# Altium PCB Wireless_Detector.PcbDoc (part 1 of 2) (continued)
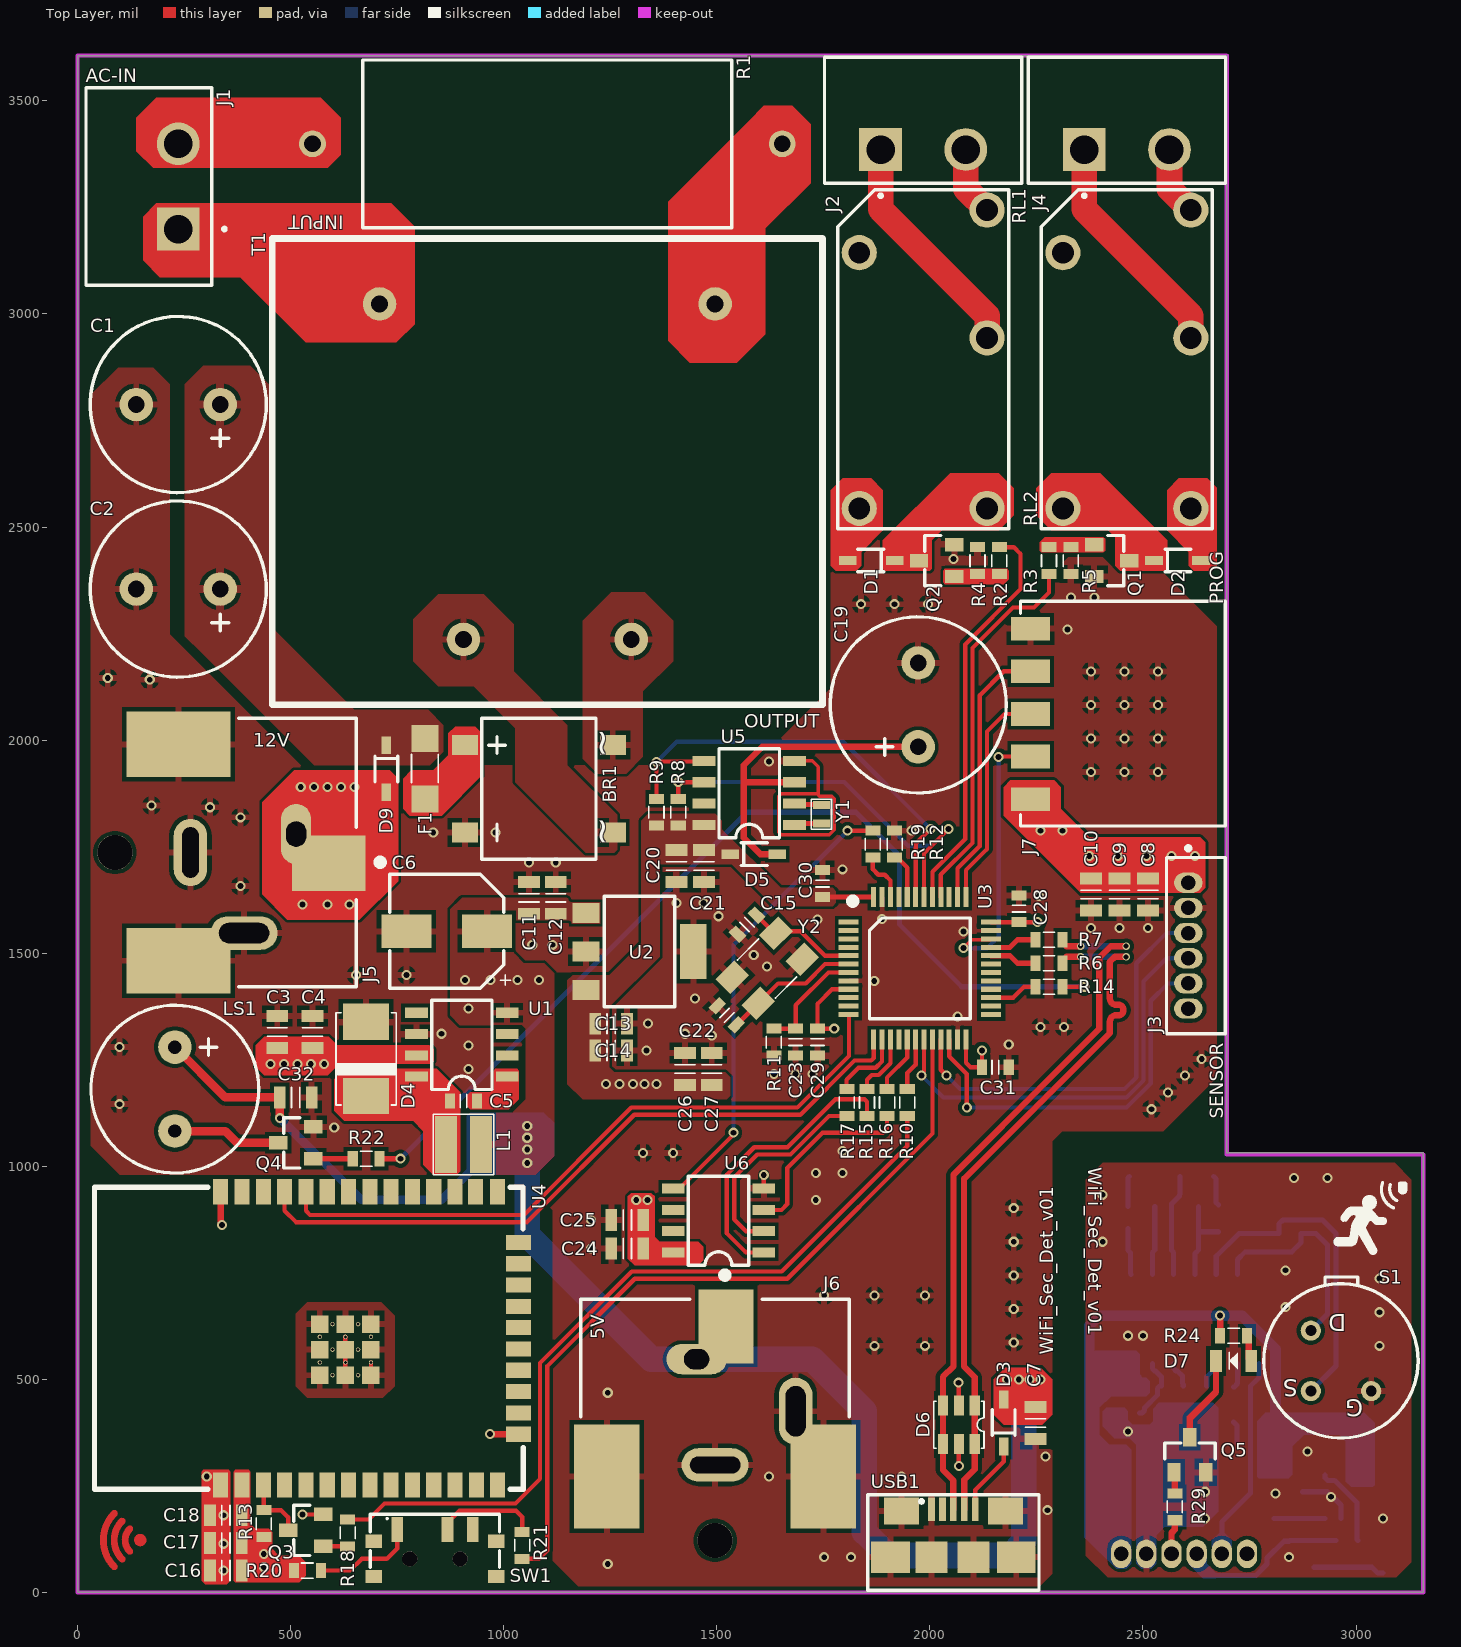
[diagram p0: Top Layer view]
## Components (designator, comment, footprint, x,y, rotation, side; value= is the part's Value field where it differs from the comment) (continued)
OP1 "OPA314AIDBVR" SOT23-5 2964.57,224.41 r180 bottom
Q1 "MMBT3904-7-F" SOT-23F 2426.77,2421.26 r270 top
Q2 "MMBT3904-7-F" SOT-23F 2015.75,2421.26 r90 top
Q3 "MMBT3904-7-F" SOT-23F 535.43,145.67 r90 top
Q4 "MMBT3904-7-F" SOT-23F 511.81,1055.12 r90 top
Q5 "MMBT3904-7-F" SOT-23F 2610.24,322.83 r0 top
R1 "5WD27" 5WD27 1102.36,3399.21 r0 top
R2 "RC0603FR-071KL" R0603 2162.99,2421.26 r270 top
R3 "RC0603FR-071KL" R0603 2279.53,2421.26 r90 top
R4 "RC0603FR-0710KL" R0603 2111.81,2421.26 r270 top
R5 "RC0603FR-0710KL" R0603 2330.71,2421.26 r90 top
R6 "RC0603JR-0715RL" R0603 2279.53,1476.38 r0 top
R7 "RC0603JR-0715RL" R0603 2279.53,1531.5 r0 top
R8 "RC0603JR-074K7L" R0603 1409.45,1830.71 r270 top
R9 "RC0603JR-074K7L" R0603 1358.27,1830.71 r90 top
R10 "RC0603JR-07100RL" R0603 1946.85,1149.61 r270 top
R11 "RC0603JR-07100RL" R0603 1633.86,1291.34 r90 top
R12 "RC0603JR-07100RL" R0603 1917.32,1755.91 r270 top
R13 "RC0603FR-071KL" R0603 437.01,161.42 r90 top
R14 "RC0603JR-07100RL" R0603 2279.53,1421.26 r0 top
R15 "RC0603JR-07100RL" R0603 1852.36,1149.61 r90 top
R16 "RC0603JR-07100RL" R0603 1899.61,1149.61 r90 top
R17 "RC0603JR-07100RL" R0603 1805.12,1149.61 r90 top
R18 "RC0603JR-07100RL" R0603 633.86,139.76 r270 top
R19 "RC0603JR-07100RL" R0603 1866.14,1755.91 r270 top
R20 "RC0603JR-07100RL" R0603 539.37,51.18 r180 top
R21 "RC0603JR-07100RL" R0603 1043.31,110.24 r90 top
R22 "RC0603JR-07100RL" R0603 677.17,1017.72 r180 top
R23 "RC0603JR-07560KL" R0603 2496.06,854.33 r180 bottom
R24 "RC0603JR-07100RL" R0603 2712.6,602.36 r180 top
R25 "RC0603FR-0710KL" R0603 2496.06,905.51 r0 bottom
R26 "RC0603FR-071KL" R0603 2751.97,350.39 r0 bottom
R27 "RC0603JR-07220KL" R0603 2492.13,452.76 r90 bottom
R28 "RC0603JR-07560KL" R0603 2598.43,854.33 r180 bottom
R29 "RC0603FR-071KL" R0603 2574.8,200.79 r270 top
R30 "RC0603FR-0710KL" R0603 2677.17,877.95 r270 bottom
R31 "RC0603JR-070RL" R0603 2649.61,452.76 r90 bottom
R32 "RC0603JR-070RL" R0603 2594.49,452.76 r90 bottom
R33 "RC0603JR-0743KL" R0603 2767.72,874.02 r270 bottom
R34 "RC0603JR-07220KL" R0603 2901.57,90.55 r90 bottom
R35 "RC0603FR-071KL" R0603 3003.94,90.55 r90 bottom
R36 "RC0603JR-07220KL" R0603 2952.76,90.55 r90 bottom
R37 "RC0603FR-0710KL" R0603 2874.02,204.72 r270 bottom
RL1 "ALQ112" ALQ112 1984.25,2893.7 r90 top
RL2 "ALQ112" ALQ112 2462.2,2893.7 r90 top
RT1 "TFPT1206L1002FM" R1206 2807.09,232.28 r90 bottom
S1 "LHI 878/3902" "LHI 878/3902" 2964.57,543.31 r180 top
SW1 "EG1215AA" EG1215AA 838.58,78.74 r0 top
T1 "BV302S12010-ZU" BV302S 1102.36,2629.92 r0 top
U1 "LM2675MX-12/NOPB" SOIC8 901.57,1285.24 r180 top
U2 "AP7361-33E-13" SOT223 1318.9,1503.94 r270 top
U3 "STM32F103C6T6A" LQFP-48 1976.38,1464.57 r270 top
U4 "ESP32-WROOM-32 (16MB)" ESP32-WROOM-32 685.24,596.06 r90 top
U5 "M41T00M6F" SOIC8 1576.09,1876.11 r180 top
U6 "MAX6662MSA+" SOIC8 1503.94,872.64 r180 top
U7 "NCS36000DRG" SOIC14 2622.05,641.73 r270 bottom
USB1 "10118192-0001LF" "MICRO B USB CONNECTOR SMD" 2055.12,138.78 r0 top
Y1 "ABS05-32.768KHZ-T" ABS05 1745.38,1826.1 r270 top
Y2 "ECS-160-20-30B-TR" "ECS CRYSTAL 16MHZ" 1618.11,1464.57 r225 top

## Footprints (in the part's own frame and the unit in brackets; to place one, negate y for a bottom-side part, rotate by r counter-clockwise, add the part's x,y. Pads: shape width x height; smd on the part's side, far side on the other; paste and mask are expansions set on the pad)
5WD27 [mm]
  round 1.6 hole 1 mask+0.05: 1(-14,0) 2(14,0)
  silkscreen extent -11,-5 11,5, body extent -14.4,-5 14.4,5, height 9.65
64800611622_CONN_6PINN [mm]
  oval 1.208x1.7 hole 0.87 mask+0.05: 1(-3.75,0) 2(-2.25,0) 3(-0.75,0) 4(0.75,0) 5(2.25,0) 6(3.75,0)
  silkscreen extent -5.9,-1.3 5.25,2.2, body extent -5.25,-1.3 5.25,2.2, height 4.55
ABS05 [mm]
  rect 0.5x1 smd mask+0.05: 1(-0.55,0) 2(0.55,0)
  silkscreen extent -0.9,-0.6 0.9,0.6, body extent -0.8,-0.5 0.8,0.5, height 0.5
ALQ112 [mm]
  round 2.1 hole 1.3 mask+0.05: 1(6.35,3.81) 2(1.27,-3.81) 3(8.89,-3.81) 4(-8.89,3.81) 5(-8.89,-3.81)
  silkscreen extent -10.1,-5.1 10.1,5.1, body extent -9.99,-5.01 10.01,4.99, height 15.6
BV302S [mm]
  round 2 hole 1 mask+0.05: 1(10,10) 5(-10,10) 7(-5,-10) 9(5,-10)
  silkscreen extent -16.4,-13.9 16.4,13.9, body extent -16.25,-13.75 16.25,13.75, height 21.8
C0603_CER [mm]
  rect 0.6x0.9 smd mask+0.05: 1(-0.8,0) 2(0.8,0)
  silkscreen extent -0.2,-0.4 0.2,0.4, body extent -1.05,-0.52 1.05,0.51, height 0.82
C0805_CER [mm]
  rect 0.7x1.3 smd mask+0.05: 1(-0.95,0) 2(0.95,0)
  silkscreen extent -0.25,-0.6 0.25,0.6, body extent -1.3,-0.68 1.3,0.68, height 0.9
C1206_CER [mm]
  rect 0.9x1.6 smd mask+0.05: 1(-1.5,0) 2(1.5,0)
  silkscreen extent -0.3,-0.75 0.3,0.75, body extent -1.97,-0.98 1.97,0.98, height 1.3
CAP_EEV_SERIES [mm]
  rect 3x2 smd mask+0.05: 1(-2.4,0) 2(2.4,0)
  silkscreen extent -3.8,-3.4 3.4,3.4, body extent -3.8,-3.4 3.8,3.4, height 8.03
CAP_RADIAL_D10_P5 [mm]
  round 2 hole 1 mask+0.05: 1(0,2.5) 2(0,-2.5)
  silkscreen extent -5.25,-5.25 5.25,5.25, body extent -5.25,-5.25 5.25,5.25, height 22.05
CMI-9605IC-0580T [mm]
  round 2 hole 0.8 mask+0.05: 1(0,2.5) 2(0,-2.5)
  silkscreen extent -5,-5 5,5, body extent -4.8,-4.8 4.8,4.8, height 5
DB105S [mm]
  rect 1.2x1.55 smd mask+0.05: 1(-2.605,-4.4) 2(2.605,-4.4) 3(2.605,4.4) 4(-2.605,4.4)
  silkscreen extent -4.2,-3.4 4.2,3.4, body extent -4.16,-5.21 4.16,5.19, height 2.66
"ECS CRYSTAL 16MHZ" [mm]
  rect 1.6x1.25 smd mask+0.05: 1(-1.85,-1.1) 2(1.85,-1.1) 3(1.85,1.1) 4(-1.85,1.1)
  silkscreen extent -0.9,-1.6 0.9,1.6, body extent -2.5,-1.6 2.5,1.6, height 0.85
EG1215AA [mm]
  rect 0.7x1.5 smd mask+0.05: 1(-2.25,1.75) 2(0.75,1.75) 3(2.25,1.75)
  rect 1x0.8 smd mask+0.05: 3(-3.65,-1.05) 3(-3.65,1.05) 3(3.65,-1.05) 3(3.65,1.05)
  round 0.9 hole 0.9 unplated mask+0.05: ""(-1.5,0) ""(1.5,0)
  silkscreen extent -3.85,-0.5 3.85,2.65, body extent -3.85,-2.7 3.85,2.2, height 1.4
ESP32-WROOM-32 [mm]
  rect 1.5x0.9 smd mask+0.05: 1(-8.74,8.875) 2(-8.74,7.605) 3(-8.74,6.335) 4(-8.74,5.065) 5(-8.74,3.795) 6(-8.74,2.525) 7(-8.74,1.255) 8(-8.74,-0.015) 9(-8.74,-1.285) 10(-8.74,-2.555) 11(-8.74,-3.825) 12(-8.74,-5.095) 13(-8.74,-6.365) 14(-8.74,-7.635) 25(8.74,-7.635) 26(8.74,-6.31) 27(8.74,-5.095) 28(8.74,-3.825) 29(8.74,-2.555) 30(8.74,-1.285) 31(8.74,-0.015) 32(8.74,1.255) 33(8.74,2.525) 34(8.74,3.795) 35(8.74,5.065) 36(8.74,6.335) 37(8.74,7.605) 38(8.74,8.875)
  rect 0.9x1.5 smd mask+0.05: 15(-5.71,-8.875) 16(-4.44,-8.875) 17(-3.17,-8.875) 18(-1.9,-8.875) 19(-0.63,-8.875) 20(0.64,-8.875) 21(1.91,-8.875) 22(3.18,-8.875) 23(4.45,-8.875) 24(5.72,-8.875)
  rect 1.05x1.05 smd mask+0.05: 39(-2.195,2.97) 39(-2.195,-0.08) 39(-2.195,1.445) 39(-0.67,2.97) 39(-0.67,1.445) 39(-0.67,-0.08) 39(0.855,2.97) 39(0.855,-0.08) 39(0.855,1.445)
  round 0.254 hole 0.18 paste-2539.97 mask+0.05: 39(-2.195,0.682) 39(-2.195,2.207) 39(-1.43,2.97) 39(-1.43,-0.08) 39(-1.43,1.445) 39(-0.67,2.207) 39(-0.67,0.682) 39(0.095,2.97) 39(0.095,1.445) 39(0.095,-0.08) 39(0.85,2.207) 39(0.85,0.682)
  silkscreen extent -8.99,-9.16 9.01,16.4, body extent -9,-9.15 9,16.35, height 2.91
F1206 [mm]
  rect 1.6x1.6 smd mask+0.05: 1(-1.8,0) 2(1.8,0)
  silkscreen extent -0.85,-0.8 0.85,0.8, body extent -1.6,-0.8 1.62,0.8, height 0.64
"HEADER 2.54MM 1X5 - H SMD" [mm]
  rect 1.42x2.34 smd: 1(-5.08,0) 2(-2.54,0) 3(0,0) 4(2.54,0) 5(5.08,0)
  silkscreen extent -6.68,-11.6 6.72,0.6, body extent -6.6,-11.41 6.6,0.53, height 2.41
IND_1212 [mm]
  rect 1.3x3.4 smd mask+0.05: 1(-1.05,0) 2(1.05,0)
  silkscreen extent -1.8,-1.8 1.8,1.8, body extent -1.5,-1.5 1.5,1.5, height 1.2
LED_GREEN_0805 [mm]
  rect 0.7x1.3 smd mask+0.05: A(1.05,0) C(-1.05,0)
  silkscreen extent -0.25,-0.5 0.25,0.5, body extent -1.01,-0.63 1.01,0.63, height 1.1
LED_RED_0805 [mm]
  rect 0.7x1.3 smd mask+0.05: A(1.05,0) C(-1.05,0)
  silkscreen extent -0.25,-0.5 0.25,0.5, body extent -1.01,-0.63 1.01,0.63, height 1.1
"LHI 878/3902" [mm]
  round 1.2 hole 0.65 mask+0.05: 1(1.796,-1.803) 2(1.796,1.797) 3(-1.804,1.797)
  silkscreen extent -4.6,-5 4.6,4.6, body extent -4.6,-5.03 4.6,4.6, height 4.6
LQFP-48 [mm] "7mmx7mm"
  rect 0.3x1.2 smd mask+0.05: 1(-2.75,-4.25) 1(-2.75,-4.25) 1(-2.75,-4.25) 2(-2.25,-4.25) 3(-1.75,-4.25) 4(-1.25,-4.25) 5(-0.75,-4.25) 6(-0.25,-4.25) 7(0.25,-4.25) 8(0.75,-4.25) 9(1.25,-4.25) 10(1.75,-4.25) 11(2.25,-4.25) 12(2.75,-4.25) 25(2.75,4.25) 26(2.25,4.25) 27(1.75,4.25) 28(1.25,4.25) 29(0.75,4.25) 30(0.25,4.25) 31(-0.25,4.25) 32(-0.75,4.25) 33(-1.25,4.25) 34(-1.75,4.25) 35(-2.25,4.25) 36(-2.75,4.25)
  rect 1.2x0.3 smd mask+0.05: 13(4.25,-2.75) 14(4.25,-2.25) 15(4.25,-1.75) 16(4.25,-1.25) 17(4.25,-0.75) 18(4.25,-0.25) 19(4.25,0.25) 20(4.25,0.75) 21(4.25,1.25) 22(4.25,1.75) 23(4.25,2.25) 24(4.25,2.75) 37(-4.25,2.75) 38(-4.25,2.25) 39(-4.25,1.75) 40(-4.25,1.25) 41(-4.25,0.75) 42(-4.25,0.25) 43(-4.25,-0.25) 44(-4.25,-0.75) 45(-4.25,-1.25) 46(-4.25,-1.75) 47(-4.25,-2.25) 48(-4.25,-2.75)
  silkscreen extent -4.2,-4.2 3,3, body extent -4.45,-4.45 4.55,4.55, height 1.5
"MICRO B USB CONNECTOR SMD" [mm]
  rect 0.4x1.4 smd mask+0.05: 1(1.3,1.425) 2(0.65,1.425) 3(0,1.425) 4(-0.65,1.425) 5(-1.3,1.425)
  rect 2.3x1.9 smd mask+0.05: 6(-3.75,-1.425) 6(3.75,-1.425)
  rect 2.1x1.6 smd mask+0.05: 6(-3.1,1.325) 6(3.102,1.322)
  rect 1.9x1.9 smd mask+0.05: 6(-1.3,-1.425) 6(1.2,-1.425)
  silkscreen extent -5.1,-3.4 5.1,2.3, body extent -3.96,-4.16 3.96,1.5, height 2.74
PJ-037AH-SMT-TR [mm]
  rect 4.4x3.3 smd: 1A(6.375,-0.65)
  oval 1.8x3.6 hole 1.2 slot 1.5 at 90 deg: 1B(4.425,1.1)
  rect 6.2x3.9 smd: 2A(-2.575,6.45) 3A(-2.575,-6.45)
  oval 2x4 hole 1 slot 3 at 90 deg: 2B(-1.875,0)
  oval 4x2 hole 1.2 slot 3 at 0 deg: 3B(1.325,-4.8)
  round 2.1 hole 2.1 unplated: ""(-6.375,0)
  silkscreen extent 1,-8 9.63,8, body extent -9.37,-7.61 7.73,7.59, height 11
R0603 [mm]
  rect 0.6x0.9 smd mask+0.05: 1(-0.8,0) 2(0.8,0)
  silkscreen extent -0.35,-0.45 0.35,0.45, body extent -0.99,-0.5 0.99,0.48, height 0.45
R1206 [mm]
  rect 0.9x1.6 smd mask+0.05: 1(-1.5,0) 2(1.5,0)
  silkscreen extent -0.8,-0.8 0.81,0.8, body extent -1.6,-0.8 1.6,0.81, height 0.55
SMB [mil]
  rect 85x107.99 smd mask+1.97: A(87.01,0) C(-87.01,0)
  silkscreen extent -108,-71 108,71, body extent -107,-70 107,70, height 96
SOD-323F [mm]
  rect 1.05x0.55 smd mask+0.05: A(-1.4,0) C(1.4,0)
  silkscreen extent -0.75,-0.67 0.8,0.67, body extent -1.35,-0.67 1.35,0.67, height 0.79
SOIC8 [mm]
  rect 1.35x0.6 smd: 1(-2.7,1.905) 2(-2.7,0.635) 3(-2.7,-0.635) 4(-2.7,-1.905) 5(2.7,-1.905) 6(2.7,-0.635) 7(2.7,0.635) 8(2.7,1.905)
  silkscreen extent -1.8,-2.64 1.8,2.67, body extent -3.01,-2.45 2.99,2.45, height 1.75
SOIC14 [mm]
  rect 1.18x0.58 smd mask+0.05: 1(-2.66,3.81) 2(-2.66,2.54) 3(-2.66,1.27) 4(-2.66,0) 5(-2.66,-1.27) 6(-2.66,-2.54) 7(-2.66,-3.81) 8(2.66,-3.81) 9(2.66,-2.54) 10(2.66,-1.27) 11(2.66,0) 12(2.66,1.27) 13(2.66,2.54) 14(2.66,3.81)
  silkscreen extent -1.9,-4.3 1.9,4.4, body extent -3.1,-4.33 3.1,4.33, height 1.76
SOT23-5 [mm]
  rect 0.6x1.1 smd mask+0.05: 1(-0.95,-1.3) 2(0,-1.3) 3(0.95,-1.3) 4(0.95,1.3) 5(-0.95,1.3)
  silkscreen extent -1.5,-0.85 1.5,0.85, body extent -1.45,-1.4 1.45,1.4, height 1.45
SOT23-6L [mm]
  rect 0.6x1.2 smd mask+0.05: 1(-0.95,-1.15) 2(0,-1.15) 3(0.95,-1.15) 4(0.95,1.15) 5(0,1.15) 6(-0.95,1.15)
  silkscreen extent -1.5,-1.39 1.5,1.4, body extent -1.46,-1.4 1.46,1.4, height 1.45
SOT223 [mm]
  rect 1.2x1.6 smd mask+0.05: 1(-2.3,-3.2) 2(0,-3.2) 3(2.3,-3.2)
  rect 3.3x1.6 smd mask+0.05: 2(0,3.2)
  silkscreen extent -3.3,-2.1 3.3,2.1, body extent -3.25,-3.48 3.25,3.48, height 1.7
SOT-23F [mm] "SOT-23-3"
  rect 0.8x1.1 smd mask+0.05: 1(-0.95,-1.05) 2(0.95,-1.05) 3(0,1.05)
  silkscreen extent -1.5,-0.25 1.5,0.71, body extent -1.5,-1.25 1.5,1.25, height 1.1
TBP01R1-508-02BE [mm]
  rect 2.55x2.55 hole 1.7: 1(-2.54,0)
  round 2.55 hole 1.7: 2(2.54,0)
  silkscreen extent -5.88,-2.85 5.88,5.5, body extent -5.9,-2 5.86,10, height 8.5

## Part data
BR1: "Bridge Rect 1PHASE 600V 1A Db-s", Manufacturer="Sangdest Microelectronics", Max Current=1A, Operating Voltage=600V, Supplier Part Number 1=1655-DB105STR-ND, Case/Package=DB105S, Category=Uncategorized, Designed By="Süleyman ARIKAYA", Manufacturer Part Number=DB105S, Pricing 1="1500=0.11000, 3000=0.09900, 7500=0.09350, 10500=0.08525, 37500=0.07975 (USD)", RoHS=No, Stock 1=34500, Supplier 1=Digi-Key
C1 C2 C19: library part "CAP ALU ELEC 470uF 50V", "CAP ALUM 470UF 20% 50V RADIAL", Capacitance=470uF, Case/Package=CAP_RADIAL_D10_P5, Manufacturer=KEMET, Max Operating Temperature=105°C, Min Operating Temperature=-40°C, Supplier Part Number 1=399-15683-ND, Tolerance=20%, Voltage Rating=50V, ComponentLink1Description=https://api.kemet.com/component-edge/download/datasheet/ESH477M050AH4AA.pdf?src-supplier=Digi-Key, ComponentLink1URL=https://api.kemet.com/component-edge/download/datasheet/ESH477M050AH4AA.pdf?src-supplier=Digi-Key, Designed By="Süleyman ARIKAYA", Life (Hours)=2000Hour, Manufacturer Part Number=ESH477M050AH4AA, Mount="Through Hole", Packaging=Bulk, Polarity=Polar, Pricing 1="1=0.73000, 10=0.51800, 50=0.39180, 100=0.34120, 500=0.25276, 1000=0.21485, 2500=0.20222, 5000=0.18958 (USD)", RoHS=Yes, RoHS Compliant=No, Supplier 1=Digi-Key
C3 C10 C11 C14 C17 C20 C24 C27 C35 C44 C47: library part "CAP CER 1uF 0805", "CAP CER 1uF %10 50V X7R 0805 SMD", Capacitance=1uF, Case Code (Imperial)=0805, Case Code (Metric)=2012, Dielectric=X7R, Manufacturer=Samsung, Max Operating Temperature=125°C, Min Operating Temperature=-55°C, Package Quantity=1, Supplier Part Number 1=1276-1029-1-ND, Tolerance=10%, Voltage=50V, Case/Package=0805, Category="Ceramic Capacitors", ComponentLink1Description=https://datasheet.ciiva.com/25800/cl21b105kbfnnne-25800291.pdf?src-supplier=Digi-Key, ComponentLink1URL=https://datasheet.ciiva.com/25800/cl21b105kbfnnne-25800291.pdf?src-supplier=Digi-Key, ComponentLink2Description=https://datasheet.ciiva.com/16449/cl21b105kbfnnne-16449003.pdf?src-supplier=Future+Electronics, ComponentLink2URL=https://datasheet.ciiva.com/16449/cl21b105kbfnnne-16449003.pdf?src-supplier=Future+Electronics, ComponentLink3Description=https://datasheet.ciiva.com/26838/getdatasheetpartid-354075-26838668.pdf?src-supplier=Verical, ComponentLink3URL=https://datasheet.ciiva.com/26838/getdatasheetpartid-354075-26838668.pdf?src-supplier=Verical, Construction=Flat, Depth=1.25mm, Designed By="Süleyman ARIKAYA", Height=1.25mm, Length=2mm, Manufacturer Part Number=CL21B105KBFNNNE, Mount="Surface Mount", Packaging="Tape and Reel", Pricing 1="1=0.12000, 10=0.08600, 50=0.04900, 100=0.04060, 500=0.02848, 1000=0.02358 (USD)", Radiation Hardening=No, RoHS=Yes, RoHS Compliant=Yes, Series=CL, Stock 1=472080, Supplier 1=Digi-Key, Thickness=0.053inch, Voltage Rating=50V, Width=0.049inch
C4 C12 C18 C21 C25 C32: library part "CAP CER 100nF 0805", "CAP CER 100nF %10 50V X7R 0805 SMD", Capacitance=100nF, Case Code (Imperial)=0805, Case Code (Metric)=2012, Dielectric=X7R, Manufacturer=Samsung, Max Operating Temperature=125°C, Min Operating Temperature=-55°C, Supplier Part Number 1=1276-1003-1-ND, Tolerance=10%, Voltage=50V, Case/Package=0805, Category="Ceramic Capacitors", ComponentLink1Description=https://datasheet.ciiva.com/25710/cl21b104kbcnnnc-25710182.pdf?src-supplier=Digi-Key, ComponentLink1URL=https://datasheet.ciiva.com/25710/cl21b104kbcnnnc-25710182.pdf?src-supplier=Digi-Key, ComponentLink2Description=https://datasheet.ciiva.com/29199/454152-da-01-en-vs-kondensator-0805-29199814.pdf?src-supplier=Conrad, ComponentLink2URL=https://datasheet.ciiva.com/29199/454152-da-01-en-vs-kondensator-0805-29199814.pdf?src-supplier=Conrad, Construction=Flat, Contact Plating=Tin, Depth=1.25mm, Designed By="Süleyman ARIKAYA", Height=0.85mm, Lead Free="Lead Free", Length=2mm, Manufacturer Part Number=CL21B104KBCNNNC, Material=Ceramic, Mount="Surface Mount", Packaging="Tape and Reel", Pricing 1="1=0.10000, 10=0.04800, 50=0.02620, 100=0.02140, 500=0.01528, 1000=0.01201 (USD)", Radiation Hardening=No, RoHS=Yes, RoHS Compliant=Yes, Series=CL, Stock 1=5839564, Supplier 1=Digi-Key, Thickness=0.037inch, Voltage Rating=50V, Voltage Rating (DC)=50V, Width=0.049inch
C5 C33 C38: library part "CAP CER 10nF 0603", "CAP CER 10nF %10 0603 SMD", Capacitance=10nF, Case Code (Imperial)=0603, Case Code (Metric)=1608, Dielectric=X7R, Manufacturer="Walsin Technologies", Max Operating Temperature=125°C, Min Operating Temperature=-55°C, Supplier Part Number 1=1292-1384-1-ND, Tolerance=10%, Voltage Rating=16V, Case/Package=0603, Category="Ceramic Capacitors", ComponentLink1Description=http://www.farnell.com/datasheets/1958513.pdf?src-supplier=Farnell, ComponentLink1URL=http://www.farnell.com/datasheets/1958513.pdf?src-supplier=Farnell, ComponentLink2Description=http://www.farnell.com/datasheets/1958513.pdf?src-supplier=Element14, ComponentLink2URL=http://www.farnell.com/datasheets/1958513.pdf?src-supplier=Element14, ComponentLink3Description=http://www.passivecomponent.com/wp-content/uploads/2018/10/MLCC.pdf?src-supplier=Digi-Key, ComponentLink3URL=http://www.passivecomponent.com/wp-content/uploads/2018/10/MLCC.pdf?src-supplier=Digi-Key, Depth=0.8mm, Designed By="Süleyman ARIKAYA", Length=1.6mm, Manufacturer Part Number=0603B103K160CT, Packaging="Tape and Reel", Pricing 1="1=0.10000, 10=0.03600, 50=0.01980, 100=0.01620, 500=0.01156, 1000=0.00908 (USD)", REACH SVHC=Unknown, RoHS=Yes, RoHS Compliant=Yes, Stock 1=119097, Supplier 1=Digi-Key, Voltage Rating (DC)=16V
C6: library part "CAP ALU ELEC 68uF 35V", "Cap Aluminum Lytic 68uF 35V 20% (6.3 X 7.7mm) SMD 280mA 2000h 105C T/R", Capacitance=68uF, Case/Package=Radial, Manufacturer=KEMET, Max Operating Temperature=105°C, Min Operating Temperature=-40°C, Package Quantity=1, Ripple Current=196mA, Supplier Part Number 1=399-6722-6-ND, Tolerance=20%, Voltage Rating=35V, Category="Aluminum Electrolytic Capacitors", ComponentLink1Description=https://datasheet.ciiva.com/5365/kem-a4002-eev-535332-5365784.pdf?src-supplier=Mouser, ComponentLink1URL=https://datasheet.ciiva.com/5365/kem-a4002-eev-535332-5365784.pdf?src-supplier=Mouser, Designed By="Süleyman ARIKAYA", Height - Seated (Max)=0.315inch, Impedance=340mR, Length=7.7mm, Life (Hours)=2000Hour, Manufacturer Part Number=EEV686M035A9HAA, Mount="Surface Mount", Packaging="Tape and Reel", Pricing 1="1=0.67000, 10=0.47200, 50=0.35680, 100=0.31080, 500=0.23024 (USD)", RoHS=Yes, RoHS Compliant=Yes, Series=EEV, Supplier 1=Digi-Key, Termination=SMD/SMT, Voltage Rating (DC)=35V
C7 C8 C9 C13 C16 C26 C43 C45 C46: library part "CAP CER 4.7uF 0805", "CAP CER 4.7uF %10 25V X5R 0805 SMD", Capacitance=4.7uF, Case Code (Imperial)=0805, Case Code (Metric)=2012, Dielectric=X5R, Manufacturer=Samsung, Max Operating Temperature=85°C, Min Operating Temperature=-55°C, Package Quantity=1, Supplier Part Number 1=1276-1244-1-ND, Tolerance=10%, Voltage Rating=25V, Case/Package=0805, Category="Ceramic Capacitors", ComponentLink1Description=https://datasheet.ciiva.com/25798/cl21a475kaqnnne-25798882.pdf?src-supplier=Digi-Key, ComponentLink1URL=https://datasheet.ciiva.com/25798/cl21a475kaqnnne-25798882.pdf?src-supplier=Digi-Key, Construction=Flat, Depth=1.25mm, Designed By="Süleyman ARIKAYA", Height=1.25mm, Lead Free="Lead Free", Length=2mm, Manufacturer Part Number=CL21A475KAQNNNE, Mount="Surface Mount", Packaging="Tape and Reel", Pricing 1="1=0.11000, 10=0.08000, 50=0.04520, 100=0.03740, 500=0.02624, 1000=0.02172 (USD)", Radiation Hardening=No, RoHS=Yes, RoHS Compliant=Yes, Series=CL, Stock 1=5293655, Supplier 1=Digi-Key, Thickness=0.055inch, Voltage Rating (DC)=25V, Width=0.049inch
C15 C22: library part "CAP CER 20pF 0603", "CAP CER 20pF %5 50V C0G/NP0 0603 SMD", Capacitance=20pF, Case Code (Imperial)=0603, Case Code (Metric)=1608, Dielectric=C0G, Manufacturer=Samsung, Max Operating Temperature=125°C, Min Operating Temperature=-55°C, Package Quantity=1, Supplier Part Number 1=1276-1187-1-ND, Temperature Coefficient=300ppm/°C, Tolerance=5%, Voltage=50V, Case/Package=0603, Category="Ceramic Capacitors", ComponentLink1Description=https://datasheet.ciiva.com/26877/getdatasheetpartid-640634-26877974.pdf?src-supplier=Verical, ComponentLink1URL=https://datasheet.ciiva.com/26877/getdatasheetpartid-640634-26877974.pdf?src-supplier=Verical, ComponentLink2Description=https://datasheet.ciiva.com/26310/mlcc-catalogdownload2013-eng-26310315.pdf?src-supplier=Distrelec, ComponentLink2URL=https://datasheet.ciiva.com/26310/mlcc-catalogdownload2013-eng-26310315.pdf?src-supplier=Distrelec, Construction=Flat, Depth=0.8mm, Designed By="Süleyman ARIKAYA", Height=0.8mm, Length=1.6mm, Manufacturer Part Number=CL10C200JB8NNNC, Mount="Surface Mount", Packaging="Tape and Reel", Pricing 1="1=0.10000, 10=0.04700, 50=0.02580, 100=0.02110, 500=0.01510, 1000=0.01186 (USD)", Radiation Hardening=No, RoHS=Yes, RoHS Compliant=Yes, Series=CL, Stock 1=361229, Supplier 1=Digi-Key, Thickness=0.035inch, Voltage Rating=50V, Width=0.031inch
C23 C28 C29 C30 C31 C36 C37 C39 C40 C42: library part "CAP CER 100nF 0603", "CAP CER 100nF %10 50V 0603 SMD", Capacitance=100nF, Case Code (Imperial)=0603, Case Code (Metric)=1608, Dielectric=X7R, Dielectric Material=Ceramic, Manufacturer=KEMET, Max Operating Temperature=125°C, Min Operating Temperature=-55°C, Package Quantity=15000, Supplier Part Number 1=399-7374-2-ND, Tolerance=10%, Voltage Rating=50V, Case/Package=0603, Category="Ceramic Capacitors", ComponentLink1Description=https://datasheet.ciiva.com/5424/kem-c1002-x7r-smd-5424426.pdf?src-supplier=Mouser, ComponentLink1URL=https://datasheet.ciiva.com/5424/kem-c1002-x7r-smd-5424426.pdf?src-supplier=Mouser, Depth=0.8mm, Designed By="Süleyman ARIKAYA", Dissipation Factor=2.5%, Height=0.8mm, Lead Pitch=0.7mm, Length=1.6mm, Manufacturer Part Number=C0603C104K5RAC7411, Mount="Surface Mount", Packaging="Tape and Reel", Pricing 1="15000=0.01540, 30000=0.01463, 75000=0.01309, 150000=0.01024 (USD)", Radiation Hardening=No, RoHS=Yes, Stock 1=3120000, Supplier 1=Digi-Key, Termination=SMD/SMT, Thickness=0.035inch, Voltage Rating (DC)=50V, Width=0.031inch
C34 C41: library part "CAP CER 33uF 1206", "CAP CER 33uF %20 25V 1206 SMD", Capacitance=33uF, Case Code (Imperial)=1206, Case Code (Metric)=3216, Dielectric=X5R, Dielectric Material=Ceramic, Manufacturer=TDK, Max Operating Temperature=85°C, Min Operating Temperature=-55°C, Package Quantity=1, Supplier Part Number 1=445-8046-6-ND, Tolerance=20%, Voltage Rating=25V, Case/Package=1206, Category="Ceramic Capacitors", ComponentLink1Description=https://datasheet.ciiva.com/24216/c3216x5r1e336m160ac-265051-24216512.pdf?src-supplier=Mouser, ComponentLink1URL=https://datasheet.ciiva.com/24216/c3216x5r1e336m160ac-265051-24216512.pdf?src-supplier=Mouser, ComponentLink2Description=https://datasheet.ciiva.com/6285/tdkmlcccaprange-6285278.pdf?src-supplier=Digi-Key, ComponentLink2URL=https://datasheet.ciiva.com/6285/tdkmlcccaprange-6285278.pdf?src-supplier=Digi-Key, Depth=1.6mm, Designed By="Süleyman ARIKAYA", Lead Free="Lead Free", Length=3.2mm, Manufacturer Part Number=C3216X5R1E336M160AC, Mount="Surface Mount", Packaging="Tape and Reel", Pricing 1="1=1.04000, 10=0.82500, 50=0.71500, 100=0.61880, 500=0.46750, 1000=0.41250 (USD)", REACH SVHC="No SVHC", Resistor Type=Ceramic, RoHS=Yes, RoHS Compliant=Yes, Series=C, Supplier 1=Digi-Key, Termination=SMD/SMT, Thickness=1.6mm, Voltage Rating (DC)=25V, Weight=0.000571oz, Width=0.063inch
D1 D2 D3 D5 D9: "Diode Standard 75 V 150mA Surface Mount SOD-323F VR=75V IF=150mA Trr=4ns P=200mW", Average Rectified Current=150mA, Case/Package=SOD-323F, Forward Voltage=1V, Manufacturer="ON Semiconductor / Fairchild", Max Forward Surge Current (Ifsm)=2A, Max Operating Temperature=150°C, Max Repetitive Reverse Voltage (Vrrm)=75V, Max Reverse Current=5uA, Min Operating Temperature=-55°C, Package Quantity=1, Power Dissipation=200mW, Supplier Part Number 1=1N4148WSFSCT-ND, Category="Rectifier Diodes", ComponentLink1Description=https://datasheet.ciiva.com/30479/0900766b810e1cd3-30479206.pdf?src-supplier=RSComponents, ComponentLink1URL=https://datasheet.ciiva.com/30479/0900766b810e1cd3-30479206.pdf?src-supplier=RSComponents, ComponentLink2Description=https://datasheet.ciiva.com/15208/getdatasheetpartid-127819-15208358.pdf?src-supplier=Verical, ComponentLink2URL=https://datasheet.ciiva.com/15208/getdatasheetpartid-127819-15208358.pdf?src-supplier=Verical, ComponentLink3Description=https://datasheet.ciiva.com/8300/1n914bws-8300360.pdf?src-supplier=Avnet, ComponentLink3URL=https://datasheet.ciiva.com/8300/1n914bws-8300360.pdf?src-supplier=Avnet, ComponentLink4Description=https://datasheet.ciiva.com/910/1n4148ws-910381.pdf?src-supplier=Digi-Key, ComponentLink4URL=https://datasheet.ciiva.com/910/1n4148ws-910381.pdf?src-supplier=Digi-Key, ComponentLink5Description=https://datasheet.ciiva.com/910/1n4148ws-910382.pdf?src-supplier=Digi-Key, ComponentLink5URL=https://datasheet.ciiva.com/910/1n4148ws-910382.pdf?src-supplier=Digi-Key, ComponentLink6Description=https://datasheet.ciiva.com/910/1n4148ws-910380.pdf?src-supplier=Digi-Key, ComponentLink6URL=https://datasheet.ciiva.com/910/1n4148ws-910380.pdf?src-supplier=Digi-Key, Contact Plating=Tin,Matte, Designed By="Süleyman ARIKAYA", Element Configuration=Single, Forward Current=150mA, Height=1mm, Lead Free="Lead Free", Length=1.8mm, Manufacturer Part Number=1N4148WS, Max Reverse Voltage (DC)=75V, Mount="Surface Mount", Number of Pins=2, Packaging="Tape and Reel", Pricing 1="1=0.21000, 10=0.19200, 100=0.10460, 500=0.06436, 1000=0.04388 (USD)", Radiation Hardening=No, REACH SVHC="No SVHC", Recovery Time=4ns, Reverse Recovery Time=4ns, Reverse Voltage=75V, RoHS=Yes, RoHS Compliant=Yes, Series=-, Stock 1=2252396, Supplier 1=Digi-Key, Weight=0.0276g, Width=1.35mm
D4: "Zener Diode 5.6 V 3 W ±5% Surface Mount SMB Vz=5.6V 5.32V~5.88V Izt=66.9mA", Breakdown Voltage=5.88V, Case/Package=SMB, Forward Voltage=1.5V, Manufacturer="ON Semiconductor", Max Operating Temperature=150°C, Max Power Dissipation=3W, Max Reverse Current=5uA, Min Operating Temperature=-65°C, Package Quantity=1, Power Dissipation=550mW, Supplier Part Number 1=1SMB5919BT3GOSCT-ND, Test Current=66.9mA, Tolerance=5%, Voltage Rating (DC)=5.6V, Zener Current=267mA, Category="Zener Diodes", ComponentLink1Description=https://datasheet.ciiva.com/27747/1308331-27747654.pdf?src-supplier=Jameco, ComponentLink1URL=https://datasheet.ciiva.com/27747/1308331-27747654.pdf?src-supplier=Jameco, ComponentLink2Description=https://datasheet.ciiva.com/1182/1smb5913bt3-d-1182657.pdf?src-supplier=Element14, ComponentLink2URL=https://datasheet.ciiva.com/1182/1smb5913bt3-d-1182657.pdf?src-supplier=Element14, ComponentLink3Description=https://datasheet.ciiva.com/1182/1smb5913bt3-d-1182658.pdf?src-supplier=Element14, ComponentLink3URL=https://datasheet.ciiva.com/1182/1smb5913bt3-d-1182658.pdf?src-supplier=Element14, ComponentLink4Description=https://datasheet.ciiva.com/16311/1smb5913bt3-d-16311847.pdf?src-supplier=Future+Electronics, ComponentLink4URL=https://datasheet.ciiva.com/16311/1smb5913bt3-d-16311847.pdf?src-supplier=Future+Electronics, ComponentLink5Description=https://datasheet.ciiva.com/15198/getdatasheetpartid-311040-15198695.pdf?src-supplier=Verical, ComponentLink5URL=https://datasheet.ciiva.com/15198/getdatasheetpartid-311040-15198695.pdf?src-supplier=Verical, ComponentLink6Description=https://datasheet.ciiva.com/895/1smb5913bt3-d-895204.pdf?src-supplier=Digi-Key, ComponentLink6URL=https://datasheet.ciiva.com/895/1smb5913bt3-d-895204.pdf?src-supplier=Digi-Key, ComponentLink7Description=https://datasheet.ciiva.com/895/1smb5913bt3-d-895205.pdf?src-supplier=Digi-Key, ComponentLink7URL=https://datasheet.ciiva.com/895/1smb5913bt3-d-895205.pdf?src-supplier=Digi-Key, ComponentLink8Description=https://datasheet.ciiva.com/895/1smb5913bt3-d-895203.pdf?src-supplier=Digi-Key, ComponentLink8URL=https://datasheet.ciiva.com/895/1smb5913bt3-d-895203.pdf?src-supplier=Digi-Key, Contact Plating=Tin,Matte, Designed By="Süleyman ARIKAYA", Element Configuration=Single, ESD Protection=Yes, Halogen Free="Halogen Free", Height=2.13mm, Impedance=2R, Lead Free="Lead Free", Length=4.32mm, Manufacturer Part Number=1SMB5919BT3G, Material=Plastic, Max Reverse Leakage Current=5uA, Number of Pins=2, Packaging="Tape and Reel", Power Rating=3W, Pricing 1="1=0.39000, 10=0.31600, 100=0.21540, 500=0.16154, 1000=0.12116 (USD)", Radiation Hardening=No, REACH SVHC="No SVHC", RoHS=Yes, RoHS Compliant=Yes, Supplier 1=Digi-Key, Voltage Tolerance=5%, Width=3.56mm, Working Voltage=5.6V, Zener Voltage=5.6V